# Altium PCB JTAG-批量下载V06.PcbDoc (part 4 of 13) (continued)
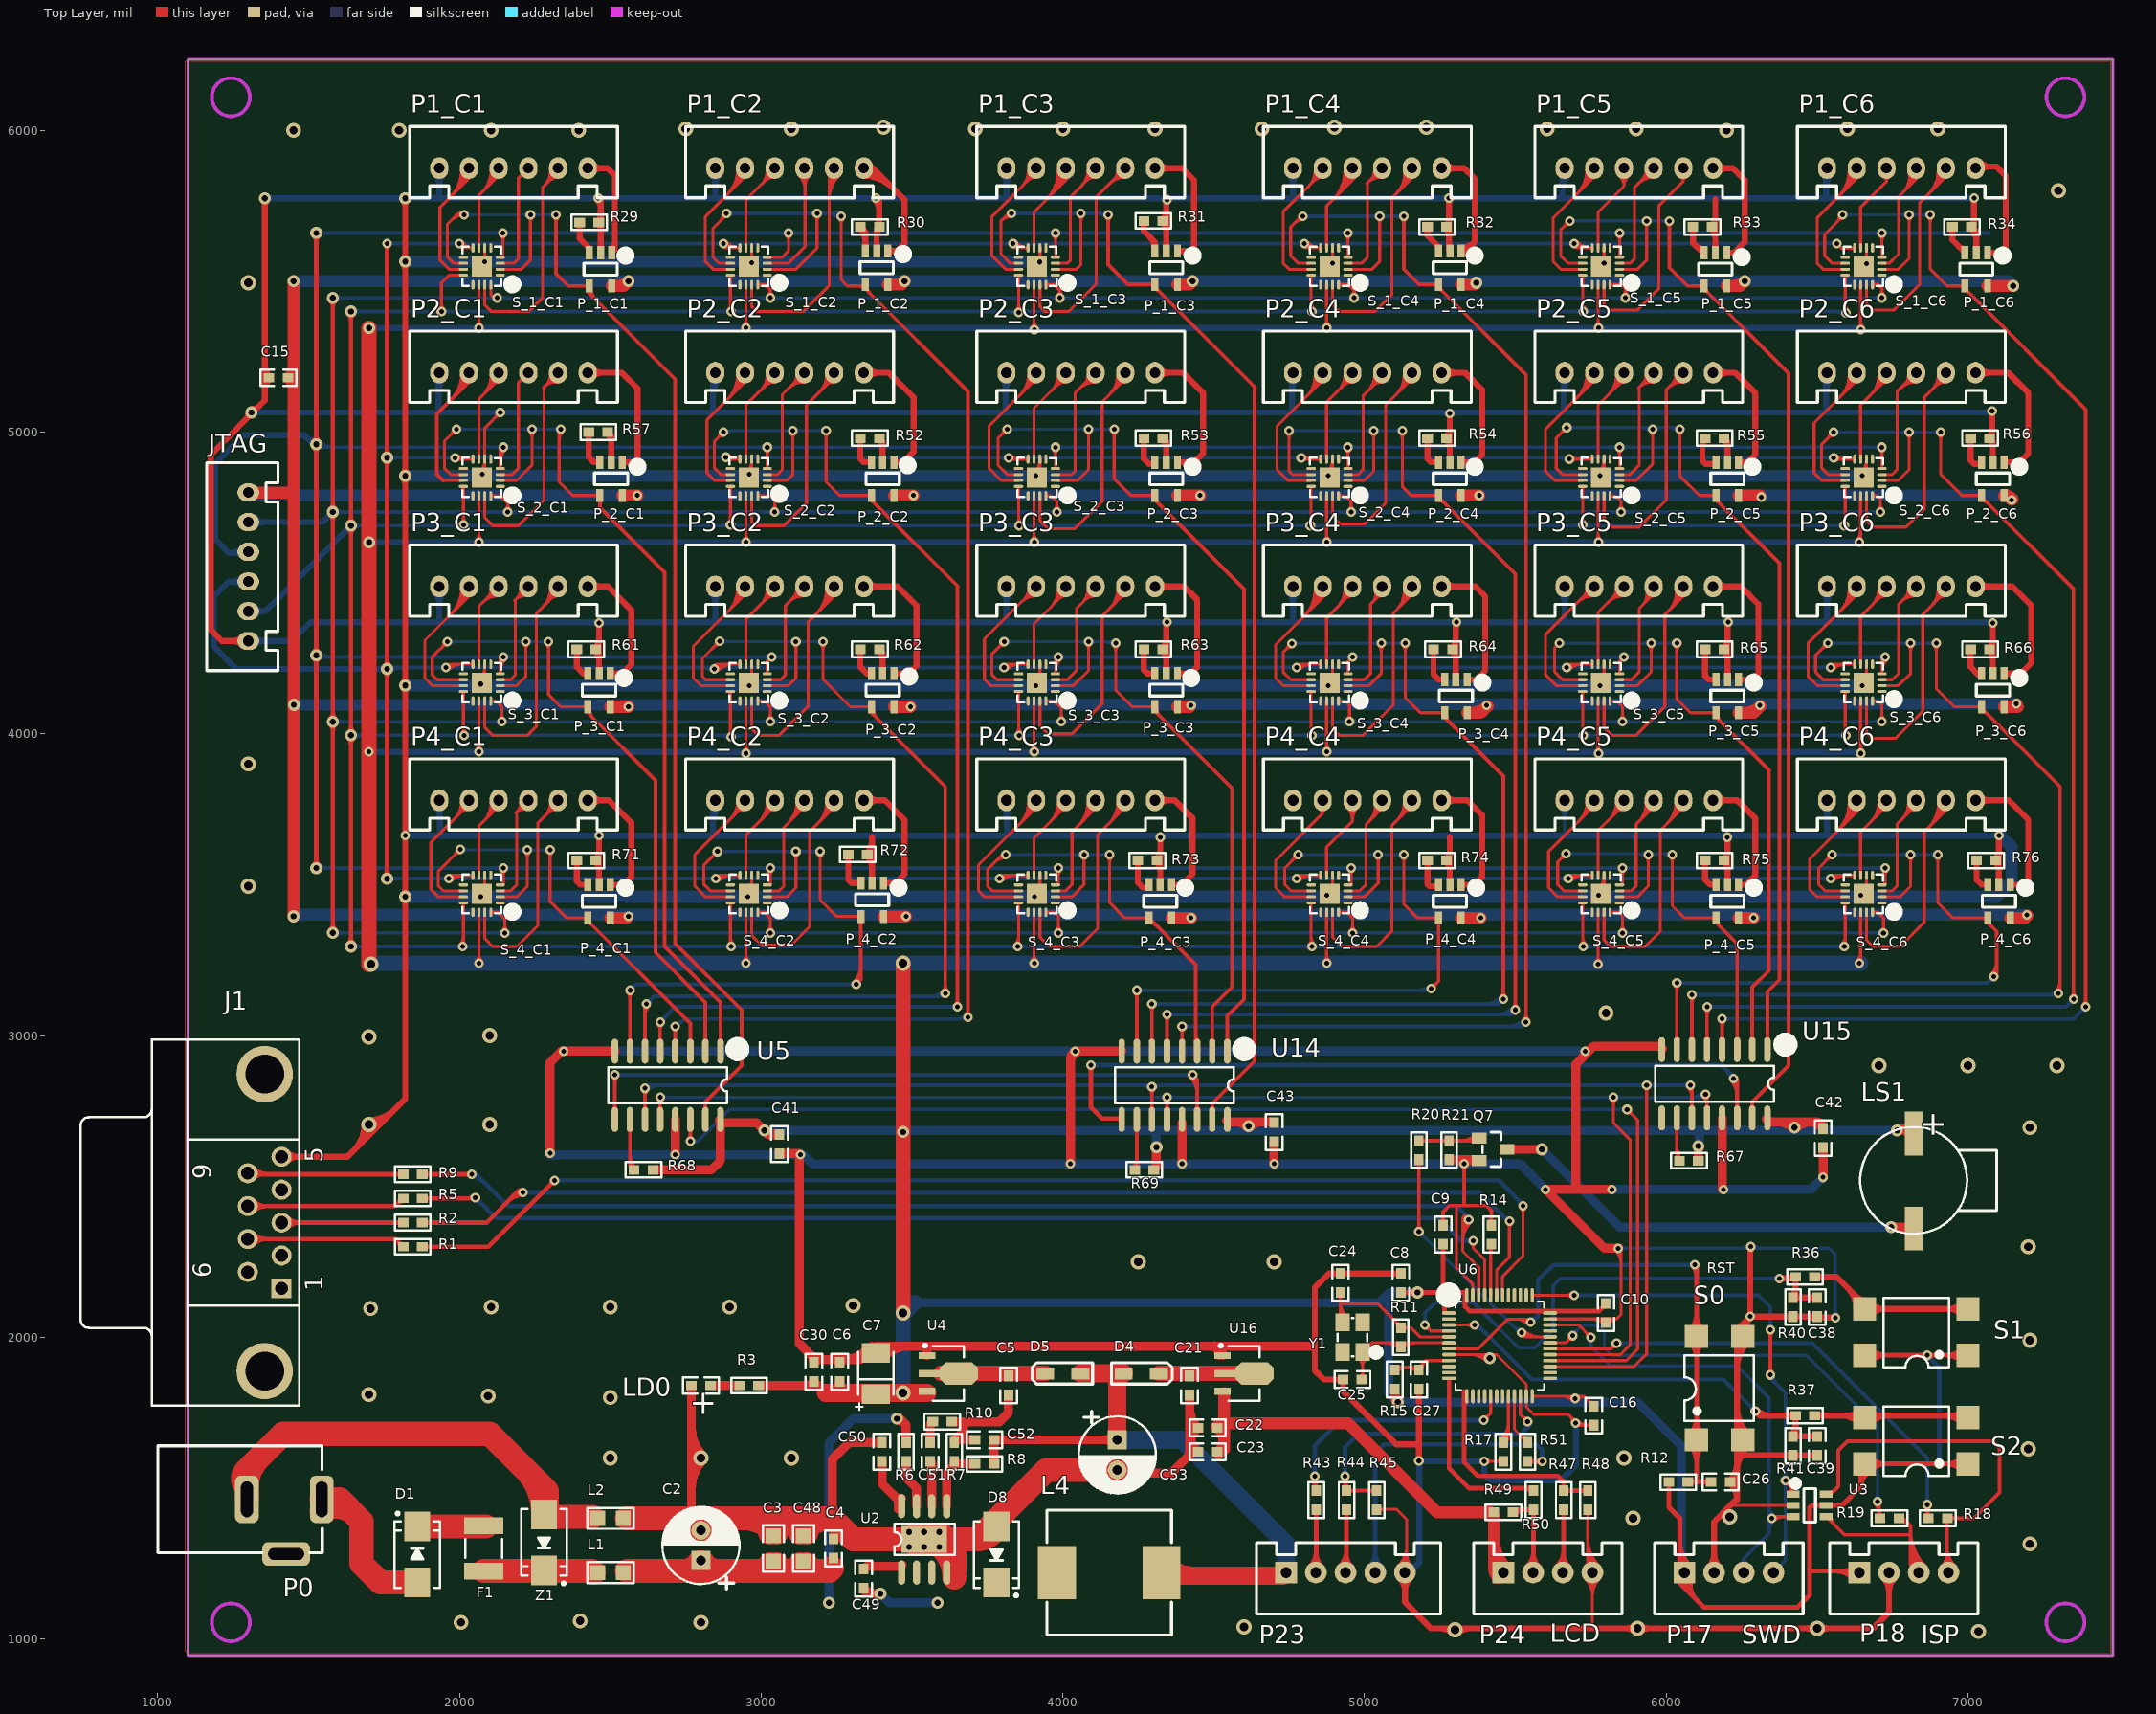
[diagram p0: Top Layer view]
## Nets (pads, with @x,y where several pads share a name; then routed paths per layer and width w, separated by ;. In a path a pad name is that pad's centre, name@x,y a point inside that pad or via, vN(x,y) a via of type N, cw(c..) or ccw(c..) an arc to the next point about the centre after c; other vN are vias at no path point) (continued)
EN_4_C1: P_4_C1.4 S_4_C1.2 S_4_C1.10 U5.3 | length 2611.4
  Top Layer w10: v1(2002.5,3617.5) 1930,3545 1930,3495 1945.63,3479.37 S_4_C1.10@2012.95,3479.37 ; S_4_C1.2@2135,3459.68 2189.68,3459.68 2225,3495 v1(2225,3615) ; v1(2300,3615) 2300,3445 2355.24,3389.76 P_4_C1.4@2425.2,3389.76 ; 1983.72,3598.72 ccw(c1964.94,3617.5) v1@1991.5,3617.5 ; 1983.72,3598.72 cw(c2002.5,3579.94) v1@2002.5,3606.5 ; 1983.72,3598.72 ccw(c1964.94,3617.5) v1@1991.5,3617.5 ; 1983.72,3598.72 cw(c2002.5,3579.94) v1@2002.5,3606.5 ; 1983.72,3598.72 ccw(c1964.94,3617.5) v1@1991.5,3617.5 ; 1983.72,3598.72 cw(c2002.5,3579.94) v1@2002.5,3606.5 ; v1@2217.22,3607.22 cw(c2198.44,3588.44) 2225,3588.44 ; v1@2217.22,3607.22 cw(c2198.44,3588.44) 2225,3588.44 ; v1@2217.22,3607.22 cw(c2198.44,3588.44) 2225,3588.44 ; 2225,3588.44 cw(c2251.56,3588.44) v1@2232.78,3607.22 ; 2225,3588.44 cw(c2251.56,3588.44) v1@2232.78,3607.22 ; 2225,3588.44 cw(c2251.56,3588.44) v1@2232.78,3607.22 ; v1@2292.22,3607.22 cw(c2273.44,3588.44) 2300,3588.44 ; v1@2292.22,3607.22 cw(c2273.44,3588.44) 2300,3588.44 ; v1@2292.22,3607.22 cw(c2273.44,3588.44) 2300,3588.44 ; 2300,3588.44 cw(c2326.56,3588.44) v1@2307.78,3607.22 ; 2300,3588.44 cw(c2326.56,3588.44) v1@2307.78,3607.22 ; 2300,3588.44 cw(c2326.56,3588.44) v1@2307.78,3607.22 ; 2408.75,3389.76 ccw(c2408.75,3406.21) P_4_C1.4@2420.38,3394.58 ; 2408.75,3389.76 cw(c2408.75,3373.32) P_4_C1.4@2420.38,3384.95 ; 2408.75,3389.76 ccw(c2408.75,3406.21) P_4_C1.4@2420.38,3394.58 ; 2408.75,3389.76 cw(c2408.75,3373.32) P_4_C1.4@2420.38,3384.95 ; 2408.75,3389.76 ccw(c2408.75,3406.21) P_4_C1.4@2420.38,3394.58 ; 2408.75,3389.76 cw(c2408.75,3373.32) P_4_C1.4@2420.38,3384.95
  Top Layer w12: P_4_C1.4@2425.2,3389.76 2425.2,3379.8 2765,3040 U5.3@2765,2948.19 ; P_4_C1.4@2425.2,3374.11 cw(c2425.2,3360.37) P_4_C1.4@2434.92,3370.08 ; P_4_C1.4@2425.2,3374.11 cw(c2425.2,3360.37) P_4_C1.4@2434.92,3370.08 ; P_4_C1.4@2425.2,3374.11 cw(c2425.2,3360.37) P_4_C1.4@2434.92,3370.08 ; P_4_C1.4@2431.01,3379.92 ccw(c2445.32,3379.92) P_4_C1.4@2435.2,3369.8 ; P_4_C1.4@2431.01,3379.92 ccw(c2445.32,3379.92) P_4_C1.4@2435.2,3369.8 ; P_4_C1.4@2431.01,3379.92 ccw(c2445.32,3379.92) P_4_C1.4@2435.2,3369.8 ; U5.3@2761.59,2982.11 ccw(c2753.35,2990.35) 2765,2990.35 ; U5.3@2761.59,2982.11 ccw(c2753.35,2990.35) 2765,2990.35 ; U5.3@2761.59,2982.11 ccw(c2753.35,2990.35) 2765,2990.35 ; 2765,2990.35 ccw(c2776.65,2990.35) U5.3@2768.41,2982.11 ; 2765,2990.35 ccw(c2776.65,2990.35) U5.3@2768.41,2982.11 ; 2765,2990.35 ccw(c2776.65,2990.35) U5.3@2768.41,2982.11
  Bottom Layer w10: v1@2005,3615 v1(2300,3615) ; v1@2010.28,3609.72 cw(c2023.02,3596.98) 2023.02,3615 ; v1@2010.28,3609.72 cw(c2023.02,3596.98) 2023.02,3615 ; v1@2010.28,3609.72 cw(c2023.02,3596.98) 2023.02,3615 ; v1@2010.28,3625.28 ccw(c2035.09,3650.09) 2035.09,3615 ; v1@2010.28,3625.28 ccw(c2035.09,3650.09) 2035.09,3615 ; v1@2010.28,3625.28 ccw(c2035.09,3650.09) 2035.09,3615 ; 2198.44,3615 ccw(c2198.44,3641.56) 2217.22,3622.78 cw(c2198.44,3641.56) 2198.44,3615 ; 2198.44,3615 cw(c2198.44,3588.44) 2217.22,3607.22 ccw(c2198.44,3588.44) 2198.44,3615 ; 2251.56,3615 ccw(c2251.56,3588.44) 2232.78,3607.22 cw(c2251.56,3588.44) 2251.56,3615 ; 2251.56,3615 cw(c2251.56,3641.56) 2232.78,3622.78 ccw(c2251.56,3641.56) 2251.56,3615 ; 2273.44,3615 ccw(c2273.44,3641.56) 2292.22,3622.78 cw(c2273.44,3641.56) 2273.44,3615 ; 2273.44,3615 cw(c2273.44,3588.44) 2292.22,3607.22 ccw(c2273.44,3588.44) 2273.44,3615
EN_4_C2: P_4_C2.4 S_4_C2.2 S_4_C2.10 U5.7 | length 4012.8
  Top Layer w10: v1(2855,3610) 2810,3565 2810,3500 2830.63,3479.37 S_4_C2.10@2897.95,3479.37 ; S_4_C2.2@3020,3459.68 3084.68,3459.68 3115,3490 v1(3115,3610) ; v1(3195,3610) 3195,3450 3250.24,3394.76 P_4_C2.4@3330.2,3394.76 ; 2836.22,3591.22 ccw(c2817.44,3610) v1@2844,3610 ; 2836.22,3591.22 cw(c2855,3572.44) v1@2855,3599 ; 2836.22,3591.22 ccw(c2817.44,3610) v1@2844,3610 ; 2836.22,3591.22 cw(c2855,3572.44) v1@2855,3599 ; 2836.22,3591.22 ccw(c2817.44,3610) v1@2844,3610 ; 2836.22,3591.22 cw(c2855,3572.44) v1@2855,3599 ; v1@3107.22,3602.22 cw(c3088.44,3583.44) 3115,3583.44 ; v1@3107.22,3602.22 cw(c3088.44,3583.44) 3115,3583.44 ; v1@3107.22,3602.22 cw(c3088.44,3583.44) 3115,3583.44 ; 3115,3583.44 cw(c3141.56,3583.44) v1@3122.78,3602.22 ; 3115,3583.44 cw(c3141.56,3583.44) v1@3122.78,3602.22 ; 3115,3583.44 cw(c3141.56,3583.44) v1@3122.78,3602.22 ; v1@3187.22,3602.22 cw(c3168.44,3583.44) 3195,3583.44 ; v1@3187.22,3602.22 cw(c3168.44,3583.44) 3195,3583.44 ; v1@3187.22,3602.22 cw(c3168.44,3583.44) 3195,3583.44 ; 3195,3583.44 cw(c3221.56,3583.44) v1@3202.78,3602.22 ; 3195,3583.44 cw(c3221.56,3583.44) v1@3202.78,3602.22 ; 3195,3583.44 cw(c3221.56,3583.44) v1@3202.78,3602.22 ; 3313.75,3394.76 ccw(c3313.75,3411.21) P_4_C2.4@3325.38,3399.58 ; 3313.75,3394.76 cw(c3313.75,3378.32) P_4_C2.4@3325.38,3389.95 ; 3313.75,3394.76 ccw(c3313.75,3411.21) P_4_C2.4@3325.38,3399.58 ; 3313.75,3394.76 cw(c3313.75,3378.32) P_4_C2.4@3325.38,3389.95 ; 3313.75,3394.76 ccw(c3313.75,3411.21) P_4_C2.4@3325.38,3399.58 ; 3313.75,3394.76 cw(c3313.75,3378.32) P_4_C2.4@3325.38,3389.95
  Top Layer w12: U5.7@2565,2948.19 v1(2565,3150) ; v1(3315,3170) 3330.2,3185.2 P_4_C2.4@3330.2,3394.76 ; v1@2557.93,3142.93 cw(c2540.86,3125.86) 2565,3125.86 ; v1@2557.93,3142.93 cw(c2540.86,3125.86) 2565,3125.86 ; v1@2557.93,3142.93 cw(c2540.86,3125.86) 2565,3125.86 ; U5.7@2561.59,2982.11 ccw(c2553.35,2990.35) 2565,2990.35 ; U5.7@2561.59,2982.11 ccw(c2553.35,2990.35) 2565,2990.35 ; U5.7@2561.59,2982.11 ccw(c2553.35,2990.35) 2565,2990.35 ; 2565,2990.35 ccw(c2576.65,2990.35) U5.7@2568.41,2982.11 ; 2565,2990.35 ccw(c2576.65,2990.35) U5.7@2568.41,2982.11 ; 2565,2990.35 ccw(c2576.65,2990.35) U5.7@2568.41,2982.11 ; 2565,3125.86 cw(c2589.14,3125.86) v1@2572.07,3142.93 ; 2565,3125.86 cw(c2589.14,3125.86) v1@2572.07,3142.93 ; 2565,3125.86 cw(c2589.14,3125.86) v1@2572.07,3142.93 ; v1@3307.93,3177.07 ccw(c3254.17,3230.83) 3330.2,3230.83 ; v1@3307.93,3177.07 ccw(c3254.17,3230.83) 3330.2,3230.83 ; v1@3307.93,3177.07 ccw(c3254.17,3230.83) 3330.2,3230.83 ; v1@3316.41,3168.59 ccw(c3283.14,3201.86) 3330.2,3201.86 ; v1@3316.41,3168.59 ccw(c3283.14,3201.86) 3330.2,3201.86 ; v1@3316.41,3168.59 ccw(c3283.14,3201.86) 3330.2,3201.86 ; P_4_C2.4@3326.09,3380.81 cw(c3316.17,3370.89) 3330.2,3370.89 ; P_4_C2.4@3326.09,3380.81 cw(c3316.17,3370.89) 3330.2,3370.89 ; P_4_C2.4@3326.09,3380.81 cw(c3316.17,3370.89) 3330.2,3370.89 ; 3330.2,3370.89 cw(c3344.23,3370.89) P_4_C2.4@3334.31,3380.81 ; 3330.2,3370.89 cw(c3344.23,3370.89) P_4_C2.4@3334.31,3380.81 ; 3330.2,3370.89 cw(c3344.23,3370.89) P_4_C2.4@3334.31,3380.81
  Bottom Layer w10: v1(2855,3610) v1@3200,3610 ; v1@2862.78,3602.22 cw(c2881.56,3583.44) 2881.56,3610 ; v1@2862.78,3602.22 cw(c2881.56,3583.44) 2881.56,3610 ; v1@2862.78,3602.22 cw(c2881.56,3583.44) 2881.56,3610 ; v1@2862.78,3617.78 ccw(c2881.56,3636.56) 2881.56,3610 ; v1@2862.78,3617.78 ccw(c2881.56,3636.56) 2881.56,3610 ; v1@2862.78,3617.78 ccw(c2881.56,3636.56) 2881.56,3610 ; 3088.44,3610 ccw(c3088.44,3636.56) v1@3107.22,3617.78 ; 3088.44,3610 cw(c3088.44,3583.44) v1@3107.22,3602.22 ; 3088.44,3610 ccw(c3088.44,3636.56) v1@3107.22,3617.78 ; 3088.44,3610 cw(c3088.44,3583.44) v1@3107.22,3602.22 ; 3088.44,3610 ccw(c3088.44,3636.56) v1@3107.22,3617.78 ; 3088.44,3610 cw(c3088.44,3583.44) v1@3107.22,3602.22 ; v1@3122.78,3602.22 cw(c3141.56,3583.44) 3141.56,3610 ; v1@3122.78,3602.22 cw(c3141.56,3583.44) 3141.56,3610 ; v1@3122.78,3602.22 cw(c3141.56,3583.44) 3141.56,3610 ; v1@3122.78,3617.78 ccw(c3141.56,3636.56) 3141.56,3610 ; v1@3122.78,3617.78 ccw(c3141.56,3636.56) 3141.56,3610 ; v1@3122.78,3617.78 ccw(c3141.56,3636.56) 3141.56,3610 ; 3168.44,3610 ccw(c3168.44,3636.56) v1@3187.22,3617.78 ; 3168.44,3610 cw(c3168.44,3583.44) v1@3187.22,3602.22 ; 3168.44,3610 ccw(c3168.44,3636.56) v1@3187.22,3617.78 ; 3168.44,3610 cw(c3168.44,3583.44) v1@3187.22,3602.22 ; 3168.44,3610 ccw(c3168.44,3636.56) v1@3187.22,3617.78 ; 3168.44,3610 cw(c3168.44,3583.44) v1@3187.22,3602.22
  Bottom Layer w12: v1(2565,3150) 2585,3170 v1(3315,3170) ; v1@2565,3160 ccw(c2565,3184.14) 2582.07,3167.07 ; v1@2565,3160 ccw(c2565,3184.14) 2582.07,3167.07 ; v1@2565,3160 ccw(c2565,3184.14) 2582.07,3167.07 ; v1@2575,3150 cw(c2599.14,3150) 2582.07,3167.07 ; v1@2575,3150 cw(c2599.14,3150) 2582.07,3167.07 ; v1@2575,3150 cw(c2599.14,3150) 2582.07,3167.07 ; 3290.86,3170 ccw(c3290.86,3194.14) v1@3307.93,3177.07 ; 3290.86,3170 cw(c3290.86,3145.86) v1@3307.93,3162.93 ; 3290.86,3170 ccw(c3290.86,3194.14) v1@3307.93,3177.07 ; 3290.86,3170 cw(c3290.86,3145.86) v1@3307.93,3162.93 ; 3290.86,3170 ccw(c3290.86,3194.14) v1@3307.93,3177.07 ; 3290.86,3170 cw(c3290.86,3145.86) v1@3307.93,3162.93
EN_4_C3: P_4_C3.4 S_4_C3.2 S_4_C3.10 U14.3 | length 2646.4
  Top Layer w10: v1@3800,3600 3750,3550 3750,3495 3765.63,3479.37 S_4_C3.10@3852.95,3479.37 ; S_4_C3.2@3975,3459.68 4029.68,3459.68 4070,3500 v1(4070,3600) ; v1(4155,3600) 4155,3440 4205.24,3389.76 P_4_C3.4@4285.2,3389.76 ; 3774.15,3574.15 cw(c3810,3538.3) v1@3810,3589 ; 3774.15,3574.15 cw(c3810,3538.3) v1@3810,3589 ; 3774.15,3574.15 cw(c3810,3538.3) v1@3810,3589 ; 3791.22,3591.22 cw(c3810,3572.44) v1@3810,3599 ; 3791.22,3591.22 cw(c3810,3572.44) v1@3810,3599 ; 3791.22,3591.22 cw(c3810,3572.44) v1@3810,3599 ; v1@4062.22,3592.22 cw(c4043.44,3573.44) 4070,3573.44 ; v1@4062.22,3592.22 cw(c4043.44,3573.44) 4070,3573.44 ; v1@4062.22,3592.22 cw(c4043.44,3573.44) 4070,3573.44 ; 4070,3573.44 cw(c4096.56,3573.44) v1@4077.78,3592.22 ; 4070,3573.44 cw(c4096.56,3573.44) v1@4077.78,3592.22 ; 4070,3573.44 cw(c4096.56,3573.44) v1@4077.78,3592.22 ; v1@4147.22,3592.22 cw(c4128.44,3573.44) 4155,3573.44 ; v1@4147.22,3592.22 cw(c4128.44,3573.44) 4155,3573.44 ; v1@4147.22,3592.22 cw(c4128.44,3573.44) 4155,3573.44 ; 4155,3573.44 cw(c4181.56,3573.44) v1@4162.78,3592.22 ; 4155,3573.44 cw(c4181.56,3573.44) v1@4162.78,3592.22 ; 4155,3573.44 cw(c4181.56,3573.44) v1@4162.78,3592.22 ; 4268.75,3389.76 ccw(c4268.75,3406.21) P_4_C3.4@4280.38,3394.58 ; 4268.75,3389.76 cw(c4268.75,3373.32) P_4_C3.4@4280.38,3384.95 ; 4268.75,3389.76 ccw(c4268.75,3406.21) P_4_C3.4@4280.38,3394.58 ; 4268.75,3389.76 cw(c4268.75,3373.32) P_4_C3.4@4280.38,3384.95 ; 4268.75,3389.76 ccw(c4268.75,3406.21) P_4_C3.4@4280.38,3394.58 ; 4268.75,3389.76 cw(c4268.75,3373.32) P_4_C3.4@4280.38,3384.95
  Top Layer w12: P_4_C3.4@4285.2,3389.76 4440,3235 U14.3@4440,2925 ; U14.3@4440,2960 U14.3@4450,2950 ; P_4_C3.4@4285.2,3374.11 cw(c4285.2,3336.22) 4311.99,3363.01 ; P_4_C3.4@4285.2,3374.11 cw(c4285.2,3336.22) 4311.99,3363.01 ; P_4_C3.4@4285.2,3374.11 cw(c4285.2,3336.22) 4311.99,3363.01 ; 4440,3002.42 ccw(c4468.72,3002.42) U14.3@4448.41,2982.11 ; 4440,3002.42 ccw(c4468.72,3002.42) U14.3@4448.41,2982.11 ; 4440,3002.42 ccw(c4468.72,3002.42) U14.3@4448.41,2982.11
  Bottom Layer w10: v1(3810,3600) v1(4155,3600) ; 3836.56,3600 ccw(c3836.56,3573.44) 3817.78,3592.22 cw(c3836.56,3573.44) 3836.56,3600 ; 3836.56,3600 cw(c3836.56,3626.56) 3817.78,3607.78 ccw(c3836.56,3626.56) 3836.56,3600 ; 4043.44,3600 ccw(c4043.44,3626.56) 4062.22,3607.78 cw(c4043.44,3626.56) 4043.44,3600 ; 4043.44,3600 cw(c4043.44,3573.44) 4062.22,3592.22 ccw(c4043.44,3573.44) 4043.44,3600 ; 4096.56,3600 ccw(c4096.56,3573.44) 4077.78,3592.22 cw(c4096.56,3573.44) 4096.56,3600 ; 4096.56,3600 cw(c4096.56,3626.56) 4077.78,3607.78 ccw(c4096.56,3626.56) 4096.56,3600 ; 4128.44,3600 ccw(c4128.44,3626.56) 4147.22,3607.78 cw(c4128.44,3626.56) 4128.44,3600 ; 4128.44,3600 cw(c4128.44,3573.44) 4147.22,3592.22 ccw(c4128.44,3573.44) 4128.44,3600
EN_4_C4: P_4_C4.4 S_4_C4.2 S_4_C4.10 U14.7 | length 3813.5
  Top Layer w10: v1(4780,3600) 4735,3555 4735,3500 4755.63,3479.37 S_4_C4.10@4822.95,3479.37 ; S_4_C4.2@4945,3459.68 4999.69,3459.68 5045,3505 v1(5045,3600) ; v1(5130,3600) 5130,3435 5175.24,3389.76 P_4_C4.4@5245.2,3389.76 ; 4761.22,3581.22 ccw(c4742.44,3600) v1@4769,3600 ; 4761.22,3581.22 cw(c4780,3562.44) v1@4780,3589 ; 4761.22,3581.22 ccw(c4742.44,3600) v1@4769,3600 ; 4761.22,3581.22 cw(c4780,3562.44) v1@4780,3589 ; 4761.22,3581.22 ccw(c4742.44,3600) v1@4769,3600 ; 4761.22,3581.22 cw(c4780,3562.44) v1@4780,3589 ; v1@5037.22,3592.22 cw(c5018.44,3573.44) 5045,3573.44 ; v1@5037.22,3592.22 cw(c5018.44,3573.44) 5045,3573.44 ; v1@5037.22,3592.22 cw(c5018.44,3573.44) 5045,3573.44 ; 5045,3573.44 cw(c5071.56,3573.44) v1@5052.78,3592.22 ; 5045,3573.44 cw(c5071.56,3573.44) v1@5052.78,3592.22 ; 5045,3573.44 cw(c5071.56,3573.44) v1@5052.78,3592.22 ; v1@5122.22,3592.22 cw(c5103.44,3573.44) 5130,3573.44 ; v1@5122.22,3592.22 cw(c5103.44,3573.44) 5130,3573.44 ; v1@5122.22,3592.22 cw(c5103.44,3573.44) 5130,3573.44 ; 5130,3573.44 cw(c5156.56,3573.44) v1@5137.78,3592.22 ; 5130,3573.44 cw(c5156.56,3573.44) v1@5137.78,3592.22 ; 5130,3573.44 cw(c5156.56,3573.44) v1@5137.78,3592.22 ; 5228.75,3389.76 ccw(c5228.75,3406.21) P_4_C4.4@5240.38,3394.58 ; 5228.75,3389.76 cw(c5228.75,3373.32) P_4_C4.4@5240.38,3384.95 ; 5228.75,3389.76 ccw(c5228.75,3406.21) P_4_C4.4@5240.38,3394.58 ; 5228.75,3389.76 cw(c5228.75,3373.32) P_4_C4.4@5240.38,3384.95 ; 5228.75,3389.76 ccw(c5228.75,3406.21) P_4_C4.4@5240.38,3394.58 ; 5228.75,3389.76 cw(c5228.75,3373.32) P_4_C4.4@5240.38,3384.95
  Top Layer w12: U14.7@4245,2948.19 v1(4245,3150) ; v1(5220,3155) 5245.2,3180.2 P_4_C4.4@5245.2,3389.76 ; v1@4237.93,3142.93 cw(c4220.86,3125.86) 4245,3125.86 ; v1@4237.93,3142.93 cw(c4220.86,3125.86) 4245,3125.86 ; v1@4237.93,3142.93 cw(c4220.86,3125.86) 4245,3125.86 ; U14.7@4241.59,2982.11 ccw(c4233.35,2990.35) 4245,2990.35 ; U14.7@4241.59,2982.11 ccw(c4233.35,2990.35) 4245,2990.35 ; U14.7@4241.59,2982.11 ccw(c4233.35,2990.35) 4245,2990.35 ; 4245,2990.35 ccw(c4256.65,2990.35) U14.7@4248.41,2982.11 ; 4245,2990.35 ccw(c4256.65,2990.35) U14.7@4248.41,2982.11 ; 4245,2990.35 ccw(c4256.65,2990.35) U14.7@4248.41,2982.11 ; 4245,3125.86 cw(c4269.14,3125.86) v1@4252.07,3142.93 ; 4245,3125.86 cw(c4269.14,3125.86) v1@4252.07,3142.93 ; 4245,3125.86 cw(c4269.14,3125.86) v1@4252.07,3142.93 ; v1@5220,3165 ccw(c5220,3189.14) 5237.07,3172.07 ; v1@5220,3165 ccw(c5220,3189.14) 5237.07,3172.07 ; v1@5220,3165 ccw(c5220,3189.14) 5237.07,3172.07 ; v1@5230,3155 cw(c5254.14,3155) 5237.07,3172.07 ; v1@5230,3155 cw(c5254.14,3155) 5237.07,3172.07 ; v1@5230,3155 cw(c5254.14,3155) 5237.07,3172.07 ; P_4_C4.4@5241.09,3375.81 cw(c5231.17,3365.89) 5245.2,3365.89 ; P_4_C4.4@5241.09,3375.81 cw(c5231.17,3365.89) 5245.2,3365.89 ; P_4_C4.4@5241.09,3375.81 cw(c5231.17,3365.89) 5245.2,3365.89 ; 5245.2,3365.89 cw(c5259.23,3365.89) P_4_C4.4@5249.31,3375.81 ; 5245.2,3365.89 cw(c5259.23,3365.89) P_4_C4.4@5249.31,3375.81 ; 5245.2,3365.89 cw(c5259.23,3365.89) P_4_C4.4@5249.31,3375.81
  Bottom Layer w10: v1(4780,3600) v1(5130,3600) ; 4806.56,3600 ccw(c4806.56,3573.44) 4787.78,3592.22 cw(c4806.56,3573.44) 4806.56,3600 ; 4806.56,3600 cw(c4806.56,3626.56) 4787.78,3607.78 ccw(c4806.56,3626.56) 4806.56,3600 ; 5018.44,3600 ccw(c5018.44,3626.56) 5037.22,3607.78 cw(c5018.44,3626.56) 5018.44,3600 ; 5018.44,3600 cw(c5018.44,3573.44) 5037.22,3592.22 ccw(c5018.44,3573.44) 5018.44,3600 ; 5071.56,3600 ccw(c5071.56,3573.44) 5052.78,3592.22 cw(c5071.56,3573.44) 5071.56,3600 ; 5071.56,3600 cw(c5071.56,3626.56) 5052.78,3607.78 ccw(c5071.56,3626.56) 5071.56,3600 ; 5103.44,3600 ccw(c5103.44,3626.56) 5122.22,3607.78 cw(c5103.44,3626.56) 5103.44,3600 ; 5103.44,3600 cw(c5103.44,3573.44) 5122.22,3592.22 ccw(c5103.44,3573.44) 5103.44,3600
  Bottom Layer w12: v1(4245,3150) v1@5220,3150 ; v1@4252.07,3142.93 cw(c4269.14,3125.86) 4269.14,3150 ; v1@4252.07,3142.93 cw(c4269.14,3125.86) 4269.14,3150 ; v1@4252.07,3142.93 cw(c4269.14,3125.86) 4269.14,3150 ; v1@4252.07,3157.07 ccw(c4269.14,3174.14) 4269.14,3150 ; v1@4252.07,3157.07 ccw(c4269.14,3174.14) 4269.14,3150 ; v1@4252.07,3157.07 ccw(c4269.14,3174.14) 4269.14,3150 ; 5183.79,3150 ccw(c5183.79,3191.21) 5212.93,3162.07 cw(c5183.79,3191.21) 5183.79,3150
EN_4_C5: P_4_C5.4 S_4_C5.2 S_4_C5.10 U15.3 | length 2604.4
  Top Layer w10: v1(5667.5,3602.5) 5640,3575 5640,3500 5660.63,3479.37 S_4_C5.10@5722.95,3479.37 ; S_4_C5.2@5845,3459.68 5904.69,3459.68 5940,3495 v1(5940,3600) ; v1(6020,3600) 6020,3430 6060.24,3389.76 P_4_C5.4@6165.2,3389.76 ; 5648.72,3583.72 ccw(c5629.94,3602.5) v1@5656.5,3602.5 ; 5648.72,3583.72 cw(c5667.5,3564.94) v1@5667.5,3591.5 ; 5648.72,3583.72 ccw(c5629.94,3602.5) v1@5656.5,3602.5 ; 5648.72,3583.72 cw(c5667.5,3564.94) v1@5667.5,3591.5 ; 5648.72,3583.72 ccw(c5629.94,3602.5) v1@5656.5,3602.5 ; 5648.72,3583.72 cw(c5667.5,3564.94) v1@5667.5,3591.5 ; v1@5932.22,3592.22 cw(c5913.44,3573.44) 5940,3573.44 ; v1@5932.22,3592.22 cw(c5913.44,3573.44) 5940,3573.44 ; v1@5932.22,3592.22 cw(c5913.44,3573.44) 5940,3573.44 ; 5940,3573.44 cw(c5966.56,3573.44) v1@5947.78,3592.22 ; 5940,3573.44 cw(c5966.56,3573.44) v1@5947.78,3592.22 ; 5940,3573.44 cw(c5966.56,3573.44) v1@5947.78,3592.22 ; v1@6012.22,3592.22 cw(c5993.44,3573.44) 6020,3573.44 ; v1@6012.22,3592.22 cw(c5993.44,3573.44) 6020,3573.44 ; v1@6012.22,3592.22 cw(c5993.44,3573.44) 6020,3573.44 ; 6020,3573.44 cw(c6046.56,3573.44) v1@6027.78,3592.22 ; 6020,3573.44 cw(c6046.56,3573.44) v1@6027.78,3592.22 ; 6020,3573.44 cw(c6046.56,3573.44) v1@6027.78,3592.22 ; 6148.75,3389.76 ccw(c6148.75,3406.21) P_4_C5.4@6160.38,3394.58 ; 6148.75,3389.76 cw(c6148.75,3373.32) P_4_C5.4@6160.38,3384.95 ; 6148.75,3389.76 ccw(c6148.75,3406.21) P_4_C5.4@6160.38,3394.58 ; 6148.75,3389.76 cw(c6148.75,3373.32) P_4_C5.4@6160.38,3384.95 ; 6148.75,3389.76 ccw(c6148.75,3406.21) P_4_C5.4@6160.38,3394.58 ; 6148.75,3389.76 cw(c6148.75,3373.32) P_4_C5.4@6160.38,3384.95
  Top Layer w12: P_4_C5.4@6165.2,3389.76 6165.2,3374.8 6235,3305 U15.3@6235,2945 ; P_4_C5.4@6171.01,3379.92 ccw(c6197.39,3379.92) 6178.74,3361.26 ; P_4_C5.4@6171.01,3379.92 ccw(c6197.39,3379.92) 6178.74,3361.26 ; P_4_C5.4@6171.01,3379.92 ccw(c6197.39,3379.92) 6178.74,3361.26 ; U15.3@6231.59,2987.11 ccw(c6223.35,2995.35) 6235,2995.35 ; U15.3@6231.59,2987.11 ccw(c6223.35,2995.35) 6235,2995.35 ; U15.3@6231.59,2987.11 ccw(c6223.35,2995.35) 6235,2995.35 ; 6235,2995.35 ccw(c6246.65,2995.35) U15.3@6238.41,2987.11 ; 6235,2995.35 ccw(c6246.65,2995.35) U15.3@6238.41,2987.11 ; 6235,2995.35 ccw(c6246.65,2995.35) U15.3@6238.41,2987.11
  Bottom Layer w10: v1(5667.5,3602.5) v1@6017.5,3602.5 ; 5694.06,3602.5 ccw(c5694.06,3575.94) 5675.28,3594.72 cw(c5694.06,3575.94) 5694.06,3602.5 ; 5694.06,3602.5 cw(c5694.06,3629.06) 5675.28,3610.28 ccw(c5694.06,3629.06) 5694.06,3602.5 ; 5907.41,3602.5 cw(c5907.41,3567.41) v1@5932.22,3592.22 ; 5907.41,3602.5 cw(c5907.41,3567.41) v1@5932.22,3592.22 ; 5907.41,3602.5 cw(c5907.41,3567.41) v1@5932.22,3592.22 ; 5919.48,3602.5 ccw(c5919.48,3620.52) v1@5932.22,3607.78 ; 5919.48,3602.5 ccw(c5919.48,3620.52) v1@5932.22,3607.78 ; 5919.48,3602.5 ccw(c5919.48,3620.52) v1@5932.22,3607.78 ; v1@5947.78,3592.22 cw(c5972.59,3567.41) 5972.59,3602.5 ; v1@5947.78,3592.22 cw(c5972.59,3567.41) 5972.59,3602.5 ; v1@5947.78,3592.22 cw(c5972.59,3567.41) 5972.59,3602.5 ; v1@5947.78,3607.78 ccw(c5960.52,3620.52) 5960.52,3602.5 ; v1@5947.78,3607.78 ccw(c5960.52,3620.52) 5960.52,3602.5 ; v1@5947.78,3607.78 ccw(c5960.52,3620.52) 5960.52,3602.5 ; 5987.41,3602.5 cw(c5987.41,3567.41) v1@6012.22,3592.22 ; 5987.41,3602.5 cw(c5987.41,3567.41) v1@6012.22,3592.22 ; 5987.41,3602.5 cw(c5987.41,3567.41) v1@6012.22,3592.22 ; 5999.48,3602.5 ccw(c5999.48,3620.52) v1@6012.22,3607.78 ; 5999.48,3602.5 ccw(c5999.48,3620.52) v1@6012.22,3607.78 ; 5999.48,3602.5 ccw(c5999.48,3620.52) v1@6012.22,3607.78
EN_4_C6: P_4_C6.4 S_4_C6.2 S_4_C6.10 U15.7 | length 4076.7
  Top Layer w10: v1(6550,3600) 6505,3555 6505,3500 6525.63,3479.37 S_4_C6.10@6592.95,3479.37 ; S_4_C6.2@6715,3459.68 6774.69,3459.68 6810,3495 v1(6810,3600) ; v1(6900,3600) 6900,3440 6950.24,3389.76 P_4_C6.4@7065.2,3389.76 ; 6531.22,3581.22 ccw(c6512.44,3600) v1@6539,3600 ; 6531.22,3581.22 cw(c6550,3562.44) v1@6550,3589 ; 6531.22,3581.22 ccw(c6512.44,3600) v1@6539,3600 ; 6531.22,3581.22 cw(c6550,3562.44) v1@6550,3589 ; 6531.22,3581.22 ccw(c6512.44,3600) v1@6539,3600 ; 6531.22,3581.22 cw(c6550,3562.44) v1@6550,3589 ; v1@6802.22,3592.22 cw(c6783.44,3573.44) 6810,3573.44 ; v1@6802.22,3592.22 cw(c6783.44,3573.44) 6810,3573.44 ; v1@6802.22,3592.22 cw(c6783.44,3573.44) 6810,3573.44 ; 6810,3573.44 cw(c6836.56,3573.44) v1@6817.78,3592.22 ; 6810,3573.44 cw(c6836.56,3573.44) v1@6817.78,3592.22 ; 6810,3573.44 cw(c6836.56,3573.44) v1@6817.78,3592.22 ; v1@6892.22,3592.22 cw(c6873.44,3573.44) 6900,3573.44 ; v1@6892.22,3592.22 cw(c6873.44,3573.44) 6900,3573.44 ; v1@6892.22,3592.22 cw(c6873.44,3573.44) 6900,3573.44 ; 6900,3573.44 cw(c6926.56,3573.44) v1@6907.78,3592.22 ; 6900,3573.44 cw(c6926.56,3573.44) v1@6907.78,3592.22 ; 6900,3573.44 cw(c6926.56,3573.44) v1@6907.78,3592.22 ; 7048.75,3389.76 ccw(c7048.75,3406.21) P_4_C6.4@7060.38,3394.58 ; 7048.75,3389.76 cw(c7048.75,3373.32) P_4_C6.4@7060.38,3384.95 ; 7048.75,3389.76 ccw(c7048.75,3406.21) P_4_C6.4@7060.38,3394.58 ; 7048.75,3389.76 cw(c7048.75,3373.32) P_4_C6.4@7060.38,3384.95 ; 7048.75,3389.76 ccw(c7048.75,3406.21) P_4_C6.4@7060.38,3394.58 ; 7048.75,3389.76 cw(c7048.75,3373.32) P_4_C6.4@7060.38,3384.95
  Top Layer w12: U15.7@6035,2945 v1(6035,3175) ; P_4_C6.4@7065.2,3389.76 7065.2,3374.8 7095,3345 7095,3205 v1(7085,3195) ; v1@6027.93,3167.93 cw(c6010.86,3150.86) 6035,3150.86 ; v1@6027.93,3167.93 cw(c6010.86,3150.86) 6035,3150.86 ; v1@6027.93,3167.93 cw(c6010.86,3150.86) 6035,3150.86 ; U15.7@6031.59,2987.11 ccw(c6023.35,2995.35) 6035,2995.35 ; U15.7@6031.59,2987.11 ccw(c6023.35,2995.35) 6035,2995.35 ; U15.7@6031.59,2987.11 ccw(c6023.35,2995.35) 6035,2995.35 ; 6035,2995.35 ccw(c6046.65,2995.35) U15.7@6038.41,2987.11 ; 6035,2995.35 ccw(c6046.65,2995.35) U15.7@6038.41,2987.11 ; 6035,2995.35 ccw(c6046.65,2995.35) U15.7@6038.41,2987.11 ; 6035,3150.86 cw(c6059.14,3150.86) v1@6042.07,3167.93 ; 6035,3150.86 cw(c6059.14,3150.86) v1@6042.07,3167.93 ; 6035,3150.86 cw(c6059.14,3150.86) v1@6042.07,3167.93 ; P_4_C6.4@7071.01,3379.92 ccw(c7097.39,3379.92) 7078.74,3361.26 ; P_4_C6.4@7071.01,3379.92 ccw(c7097.39,3379.92) 7078.74,3361.26 ; P_4_C6.4@7071.01,3379.92 ccw(c7097.39,3379.92) 7078.74,3361.26 ; v1@7077.93,3202.07 ccw(c7036.72,3243.28) 7095,3243.28 ; v1@7077.93,3202.07 ccw(c7036.72,3243.28) 7095,3243.28 ; v1@7077.93,3202.07 ccw(c7036.72,3243.28) 7095,3243.28 ; v1@7086.41,3193.59 ccw(c7065.69,3214.31) 7095,3214.31 ; v1@7086.41,3193.59 ccw(c7065.69,3214.31) 7095,3214.31 ; v1@7086.41,3193.59 ccw(c7065.69,3214.31) 7095,3214.31
  Bottom Layer w10: v1(6550,3600) v1(6900,3600) ; 6576.56,3600 ccw(c6576.56,3573.44) 6557.78,3592.22 cw(c6576.56,3573.44) 6576.56,3600 ; 6576.56,3600 cw(c6576.56,3626.56) 6557.78,3607.78 ccw(c6576.56,3626.56) 6576.56,3600 ; 6783.44,3600 ccw(c6783.44,3626.56) 6802.22,3607.78 cw(c6783.44,3626.56) 6783.44,3600 ; 6783.44,3600 cw(c6783.44,3573.44) 6802.22,3592.22 ccw(c6783.44,3573.44) 6783.44,3600 ; 6836.56,3600 ccw(c6836.56,3573.44) 6817.78,3592.22 cw(c6836.56,3573.44) 6836.56,3600 ; 6836.56,3600 cw(c6836.56,3626.56) 6817.78,3607.78 ccw(c6836.56,3626.56) 6836.56,3600 ; 6873.44,3600 ccw(c6873.44,3626.56) 6892.22,3607.78 cw(c6873.44,3626.56) 6873.44,3600 ; 6873.44,3600 cw(c6873.44,3573.44) 6892.22,3592.22 ccw(c6873.44,3573.44) 6873.44,3600
  Bottom Layer w12: v1(6035,3175) 7065,3175 v1(7085,3195) ; v1@6042.07,3167.93 cw(c6059.14,3150.86) 6059.14,3175 ; v1@6042.07,3167.93 cw(c6059.14,3150.86) 6059.14,3175 ; v1@6042.07,3167.93 cw(c6059.14,3150.86) 6059.14,3175 ; v1@6042.07,3182.07 ccw(c6059.14,3199.14) 6059.14,3175 ; v1@6042.07,3182.07 ccw(c6059.14,3199.14) 6059.14,3175 ; v1@6042.07,3182.07 ccw(c6059.14,3199.14) 6059.14,3175 ; 7067.93,3177.93 ccw(c7050.86,3195) v1@7075,3195 ; 7067.93,3177.93 cw(c7085,3160.86) v1@7085,3185 ; 7067.93,3177.93 ccw(c7050.86,3195) v1@7075,3195 ; 7067.93,3177.93 cw(c7085,3160.86) v1@7085,3185 ; 7067.93,3177.93 ccw(c7050.86,3195) v1@7075,3195 ; 7067.93,3177.93 cw(c7085,3160.86) v1@7085,3185
EN_D1: U5.14 U6.28 | length 4857
  Top Layer w10: U6.28@5614.65,1922.52 5867.52,1922.52 5905,1960 5905,2720 v1(5870,2755) ; v1@5870,2744 cw(c5870,2717.44) 5888.78,2736.22 ; v1@5870,2744 cw(c5870,2717.44) 5888.78,2736.22 ; v1@5870,2744 cw(c5870,2717.44) 5888.78,2736.22 ; v1@5881,2755 ccw(c5907.56,2755) 5888.78,2736.22 ; v1@5881,2755 ccw(c5907.56,2755) 5888.78,2736.22 ; v1@5881,2755 ccw(c5907.56,2755) 5888.78,2736.22
  Top Layer w12: v1(2765,2650) U5.14@2765,2721.81 ; v1@2757.93,2657.07 ccw(c2740.86,2674.14) 2765,2674.14 ; v1@2757.93,2657.07 ccw(c2740.86,2674.14) 2765,2674.14 ; v1@2757.93,2657.07 ccw(c2740.86,2674.14) 2765,2674.14 ; U5.14@2761.59,2687.89 cw(c2753.35,2679.65) 2765,2679.65 ; U5.14@2761.59,2687.89 cw(c2753.35,2679.65) 2765,2679.65 ; U5.14@2761.59,2687.89 cw(c2753.35,2679.65) 2765,2679.65 ; 2765,2674.14 ccw(c2789.14,2674.14) v1@2772.07,2657.07 ; 2765,2674.14 ccw(c2789.14,2674.14) v1@2772.07,2657.07 ; 2765,2674.14 ccw(c2789.14,2674.14) v1@2772.07,2657.07 ; 2765,2679.65 cw(c2776.65,2679.65) U5.14@2768.41,2687.89 ; 2765,2679.65 cw(c2776.65,2679.65) U5.14@2768.41,2687.89 ; 2765,2679.65 cw(c2776.65,2679.65) U5.14@2768.41,2687.89
  Bottom Layer w12: v1(2765,2650) 2790,2650 2895,2755 v1(5870,2755) ; v1@2772.07,2642.93 cw(c2789.14,2625.86) 2789.14,2650 ; v1@2772.07,2642.93 cw(c2789.14,2625.86) 2789.14,2650 ; v1@2772.07,2642.93 cw(c2789.14,2625.86) 2789.14,2650 ; v1@2772.07,2657.07 ccw(c2789.14,2674.14) 2789.14,2650 ; v1@2772.07,2657.07 ccw(c2789.14,2674.14) 2789.14,2650 ; v1@2772.07,2657.07 ccw(c2789.14,2674.14) 2789.14,2650 ; 5845.86,2755 ccw(c5845.86,2779.14) v1@5862.93,2762.07 ; 5845.86,2755 cw(c5845.86,2730.86) v1@5862.93,2747.93 ; 5845.86,2755 ccw(c5845.86,2779.14) v1@5862.93,2762.07 ; 5845.86,2755 cw(c5845.86,2730.86) v1@5862.93,2747.93 ; 5845.86,2755 ccw(c5845.86,2779.14) v1@5862.93,2762.07 ; 5845.86,2755 cw(c5845.86,2730.86) v1@5862.93,2747.93